# Altium PCB UZ_A_Testboard.PcbDoc (part 1 of 2) (continued)
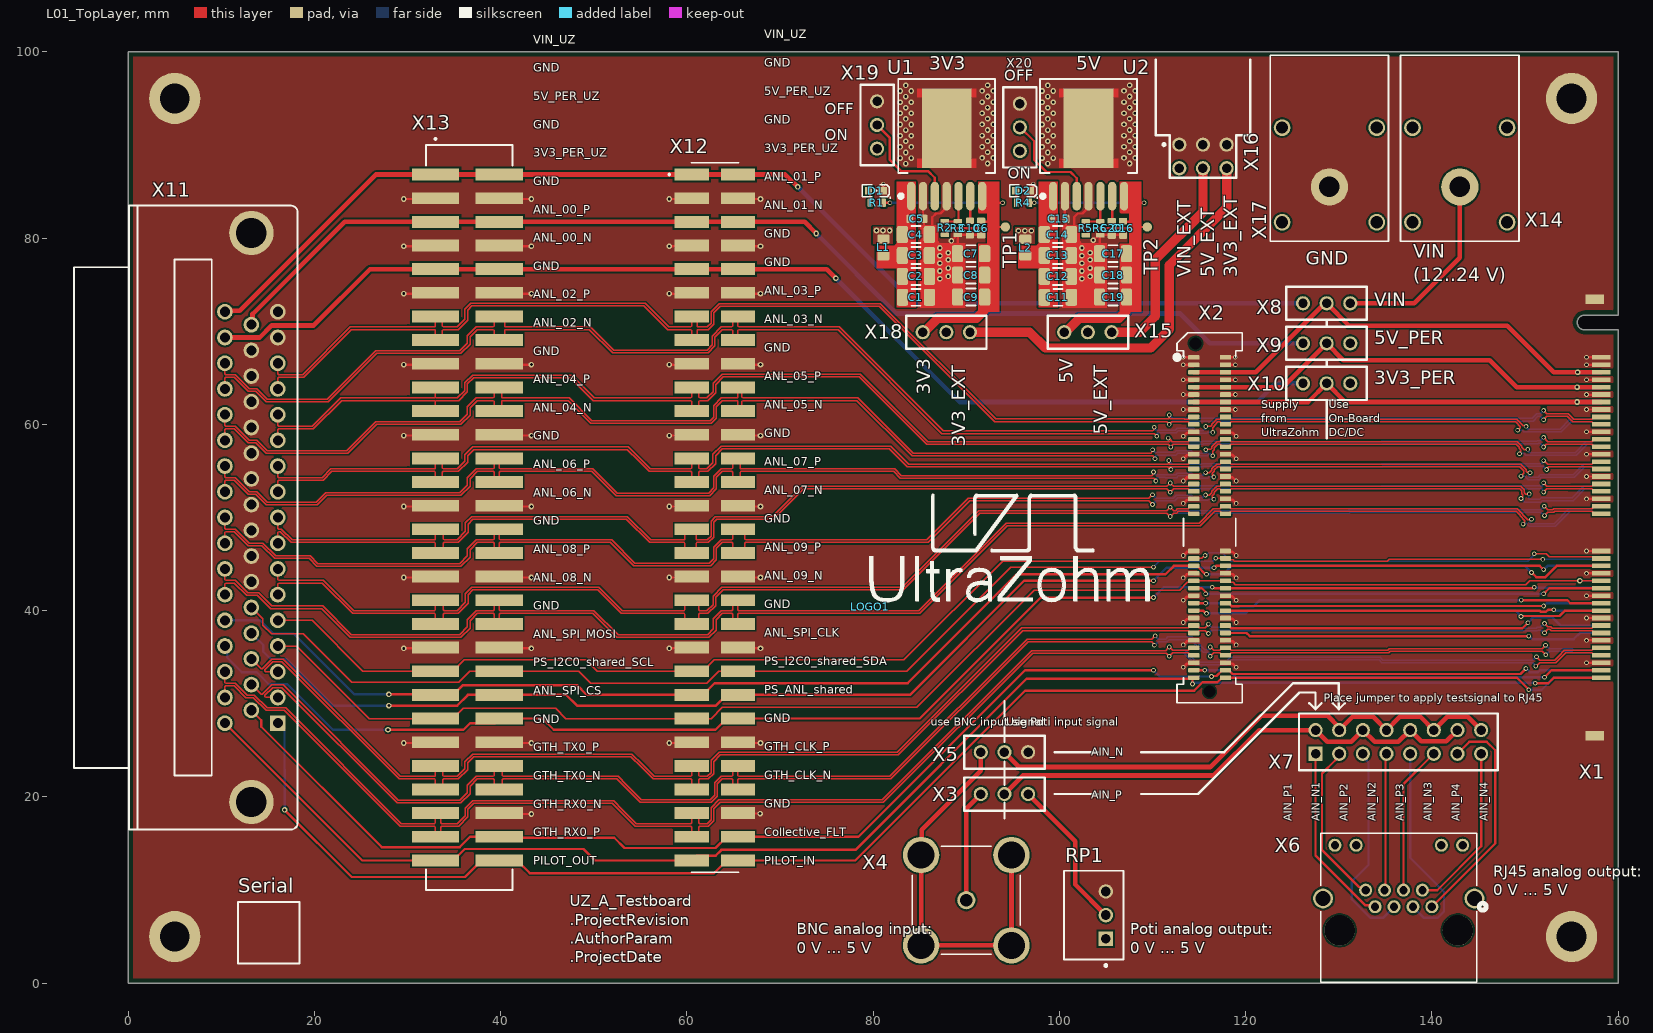
[diagram p0: L01_TopLayer view]
## Footprints (in the part's own frame and the unit in brackets; to place one, negate y for a bottom-side part, rotate by r counter-clockwise, add the part's x,y. Pads: shape width x height; smd on the part's side, far side on the other; paste and mask are expansions set on the pad)
7TO-PMOD [mm]
  oval 3.06x0.89 smd: 1(-5.7,3.81) 2(-5.7,2.54) 3(-5.7,1.27) 4(-5.7,0) 5(-5.7,-1.27) 6(-5.7,-2.54) 7(-5.7,-3.81)
  rect 8.54x5.35 smd: 8(1.605,0)
  L01_TopLayer region: 5.875,-3.2 5.875,3.2 4.875,3.2 4.875,-3.2
  L01_TopLayer region: -2.665,3.2 -2.665,-3.2 -1.665,-3.2 -1.665,3.2
  silkscreen extent -5.9,-5.21 6.89,5.2, body extent -6.89,-5.08 6.88,5.08, height 4.8
"Bannanenbuchse Rot Stäubli 23.3200-22" [mm] "Bananenstecker-Buchse, 4mm, Leiterplattenmontage, 24 A, 1 kV"
  round 4 hole 2.2: 1(0,0)
  round 1.8 hole 1.3: 2(-5.08,3.8) 2(-5.08,-6.36) 2(5.08,3.8) 2(5.08,-6.36)
  L01_TopLayer lines w0.254: 0,0 -0.275,0.275
  silkscreen extent -6.35,-14.14 6.35,5.83, body extent -6,-27.53 6,5.47, height 12.45
"Bannanenbuchse Schwarz Stäubli 23.3200-21" [mm] "Bananenstecker-Buchse, 4mm, Leiterplattenmontage, 24 A, 1 kV"
  round 4 hole 2.2: 1(0,0)
  round 1.8 hole 1.3: 2(-5.08,3.8) 2(-5.08,-6.36) 2(5.08,3.8) 2(5.08,-6.36)
  L01_TopLayer lines w0.254: 0,0 -0.275,0.275
  silkscreen extent -6.35,-14.14 6.35,5.83, body extent -6,-27.53 6,5.47, height 12.45
BOURNS_3299W-3_V [mm] "TH, 3-Leads, Body 9.53x6.4mm, Pitch 2.54mm"
  rect 1.55x1.55 hole 1.05: 1(-2.54,-1.29)
  round 1.55 hole 1.05: 2(0,-1.29) 3(2.54,-1.29)
  silkscreen extent -5.54,-3.2 4.76,3.2, body extent -4.76,-3.05 4.76,3.05, height 11.55
CAPC1608X90N_V [mm] "Vishay VJ0603 1.6 x 0.8 (+0.15/-0.1) 0.4 +/- 0,15mm Kontakte"
  rrect33% 0.88x0.71 smd: 1(0,0.77) 2(0,-0.77)
  body extent -0.4,-0.8 0.4,0.8, height 0.8
CAPC3216X180N_V [mm]
  rrect33% 1.82x1.21 smd: 1(0,1.45) 2(0,-1.45)
  silkscreen extent -0.9,-0.5 0.9,0.5, body extent -0.81,-1.6 0.81,1.6, height 1.82
dsub50_female_164A18759X [mm]
  rect 1.69x1.69 hole 1.09: 1(44.176,0)
  round 1.69 hole 1.09: 2(41.415,0) 3(38.654,0) 4(35.893,0) 5(33.132,0) 6(30.371,0) 7(27.61,0) 8(24.849,0) 9(22.088,0) 10(19.327,0) 11(16.566,0) 12(13.805,0) 13(11.044,0) 14(8.283,0) 15(5.522,0) 16(2.761,0) 17(0,0) 18(42.795,-2.84) 19(40.035,-2.84) 20(37.274,-2.84) 21(34.512,-2.84) 22(31.752,-2.84) 23(28.99,-2.84) 24(26.23,-2.84) 25(23.469,-2.84) 26(20.707,-2.84) 27(17.947,-2.84) 28(15.185,-2.84) 29(12.425,-2.84) 30(9.664,-2.84) 31(6.902,-2.84) 32(4.142,-2.84) 33(1.38,-2.84) 34(44.176,-5.68) 35(41.415,-5.68) 36(38.654,-5.68) 37(35.893,-5.68) 38(33.132,-5.68) 39(30.371,-5.68) 40(27.61,-5.68) 41(24.849,-5.68) 42(22.088,-5.68) 43(19.327,-5.68) 44(16.566,-5.68) 45(13.805,-5.68) 46(11.044,-5.68) 47(8.283,-5.68) 48(5.522,-5.68) 49(2.761,-5.68) 50(0,-5.68)
  round 4.76 hole 3.26: 51(-8.467,-2.84) 52(52.643,-2.84)
  silkscreen extent -11.4,-21.9 55.6,2.12, body extent -11.42,-22.05 55.58,2.13, height 16.35
HSEC8-140-01-L-D-EM2 [mm]
  rect 0.5x2 smd mask+0: 1(-17.2,0) 3(-16.4,0) 5(-15.6,0) 7(-14.8,0) 9(-14,0) 11(-13.2,0) 13(-12.4,0) 15(-11.6,0) 17(-10.8,0) 19(-10,0) 21(-9.2,0) 23(-8.4,0) 25(-7.6,0) 27(-6.8,0) 29(-6,0) 31(-5.2,0) 33(-4.4,0) 35(-3.6,0) 37(-2.8,0) 39(-2,0) 41(-1.2,0) 43(-0.4,0) 45(3.6,0) 47(4.4,0) 49(5.2,0) 51(6,0) 53(6.8,0) 55(7.6,0) 57(8.4,0) 59(9.2,0) 61(10,0) 63(10.8,0) 65(11.6,0) 67(12.4,0) 69(13.2,0) 71(14,0) 73(14.8,0) 75(15.6,0) 77(16.4,0) 79(17.2,0)
  rect 0.5x2 smd far side mask+0: 2(-17.2,0) 4(-16.4,0) 6(-15.6,0) 8(-14.8,0) 10(-14,0) 12(-13.2,0) 14(-12.4,0) 16(-11.6,0) 18(-10.8,0) 20(-10,0) 22(-9.2,0) 24(-8.4,0) 26(-7.6,0) 28(-6.8,0) 30(-6,0) 32(-5.2,0) 34(-4.4,0) 36(-3.6,0) 38(-2.8,0) 40(-2,0) 42(-1.2,0) 44(-0.4,0) 46(3.6,0) 48(4.4,0) 50(5.2,0) 52(6,0) 54(6.8,0) 56(7.6,0) 58(8.4,0) 60(9.2,0) 62(10,0) 64(10.8,0) 66(11.6,0) 68(12.4,0) 70(13.2,0) 72(14,0) 74(14.8,0) 76(15.6,0) 78(16.4,0) 80(17.2,0)
  rect 1x2 smd mask+0: G1(-23.45,-0.7) G3(23.45,-0.7)
  rect 1x2 smd far side mask+0: G2(-23.45,-0.7) G4(23.45,-0.7)
  body extent -25.2,-3.27 25.2,9.53, height 3.3
HTEC8-140-XX-X-DV [mm]
  rrect30% 0.5x1.2 smd mask+0.05: 1(-17.2,-1.7) 2(-17.2,1.7) 3(-16.4,-1.7) 4(-16.4,1.7) 5(-15.6,-1.7) 6(-15.6,1.7) 7(-14.8,-1.7) 8(-14.8,1.7) 9(-14,-1.7) 10(-14,1.7) 11(-13.2,-1.7) 12(-13.2,1.7) 13(-12.4,-1.7) 14(-12.4,1.7) 15(-11.6,-1.7) 16(-11.6,1.7) 17(-10.8,-1.7) 18(-10.8,1.7) 19(-10,-1.7) 20(-10,1.7) 21(-9.2,-1.7) 22(-9.2,1.7) 23(-8.4,-1.7) 24(-8.4,1.7) 25(-7.6,-1.7) 26(-7.6,1.7) 27(-6.8,-1.7) 28(-6.8,1.7) 29(-6,-1.7) 30(-6,1.7) 31(-5.2,-1.7) 32(-5.2,1.7) 33(-4.4,-1.7) 34(-4.4,1.7) 35(-3.6,-1.7) 36(-3.6,1.7) 37(-2.8,-1.7) 38(-2.8,1.7) 39(-2,-1.7) 40(-2,1.7) 41(-1.2,-1.7) 42(-1.2,1.7) 43(-0.4,-1.7) 44(-0.4,1.7) 45(3.6,-1.7) 46(3.6,1.7) 47(4.4,-1.7) 48(4.4,1.7) 49(5.2,-1.7) 50(5.2,1.7) 51(6,-1.7) 52(6,1.7) 53(6.8,-1.7) 54(6.8,1.7) 55(7.6,-1.7) 56(7.6,1.7) 57(8.4,-1.7) 58(8.4,1.7) 59(9.2,-1.7) 60(9.2,1.7) 61(10,-1.7) 62(10,1.7) 63(10.8,-1.7) 64(10.8,1.7) 65(11.6,-1.7) 66(11.6,1.7) 67(12.4,-1.7) 68(12.4,1.7) 69(13.2,-1.7) 70(13.2,1.7) 71(14,-1.7) 72(14,1.7) 73(14.8,-1.7) 74(14.8,1.7) 75(15.6,-1.7) 76(15.6,1.7) 77(16.4,-1.7) 78(16.4,1.7) 79(17.2,-1.7) 80(17.2,1.7)
  round 0 hole 1.27 unplated: MH1(-18.7,-1.5) MH2(18.7,0)
  silkscreen extent -19.85,-3.75 19.9,3.5, body extent -19.9,-3.5 19.9,3.5, height 8
HTSS-130-01-L-DV [mil]
  rect 50x200 smd: 01(0,0) 02(0,270) 03(100,0) 04(100,270) 05(200,0) 06(200,270) 07(300,0) 08(300,270) 09(400,0) 10(400,270) 11(500,0) 12(500,270) 13(600,0) 14(600,270) 15(700,0) 16(700,270) 17(800,0) 18(800,270) 19(900,0) 20(900,270) 21(1000,0) 22(1000,270) 23(1100,0) 24(1100,270) 25(1200,0) 26(1200,270) 27(1300,0) 28(1300,270) 29(1400,0) 30(1400,270) 31(1500,0) 32(1500,270) 33(1600,0) 34(1600,270) 35(1700,0) 36(1700,270) 37(1800,0) 38(1800,270) 39(1900,0) 40(1900,270) 41(2000,0) 42(2000,270) 43(2100,0) 44(2100,270) 45(2200,0) 46(2200,270) 47(2300,0) 48(2300,270) 49(2400,0) 50(2400,270) 51(2500,0) 52(2500,270) 53(2600,0) 54(2600,270) 55(2700,0) 56(2700,270) 57(2800,0) 58(2800,270) 59(2900,0) 60(2900,270)
  silkscreen extent -155,-40 3025,325, body extent -125,-85 3025,355, height 400
INDC2012X92N_V [mm] "Chip Inductor, 2-Leads, Body 2,0x1,2mm, IPC Medium Density"
  rrect33% 1.31x1 smd: 1(0,0.9) 2(0,-0.9)
  body extent -0.6,-1 0.6,1, height 0.91
IPL1-103-01-L-D-RA-K [mil]
  round 60 hole 40 mask+3: 1(-100,-380) 2(0,-380) 3(100,-380) 4(-100,-480) 5(0,-480) 6(100,-480)
  silkscreen extent -200,-520 200,-20, body extent -180,-492 180,0, height 310
RESC1608X55N_V [mm] "Vishay D0603 1.55 x 0.85 (+0.1/-0.05) 0.3 +/- 0,2mm Kontakte"
  rrect33% 0.9x0.5 smd: 1(0,0.73) 2(0,-0.73)
  body extent -0.42,-0.78 0.43,0.77, height 0.45
RJ45_RJHSE-5384_AMP [mil]
  round 55 hole 35: 1(0,0) 2(-40,70) 3(-80,0) 4(-120,70) 5(-160,0) 6(-200,70) 7(-240,0) 8(-280,70) 9(130,260) 10(40,260) 11(-320,260) 12(-410,260)
  round 84 hole 64: 13(-460,35) 14(180,35)
  round 128 hole 128 unplated: 15(-390,-100) 16(110,-100)
  silkscreen extent -470,-320 230,310, body extent -528,-540 253,320, height 630
SAMTEC_BNC7T-J-P-XX-RA-BH1 [mm]
  round 1.95 hole 1.3: 1(0,0)
  round 3.916 hole 2.9: S1(-4.85,4.85) S2(4.85,4.85) S3(4.85,-4.85) S4(-4.85,-4.85)
  silkscreen extent -5.8,-5.8 5.8,5.8, body extent -8,-5.83 8,26.92, height 19.3
Serial_6.3x6.3mm [mm]
  silkscreen extent -3.3,-3.3 3.3,3.3
TP_1mm [mm]
  round 1 smd paste-1: 1(0,0)
TSM-130-01-F-DV [mm]
  rect 1.27x3.68 smd: 01(36.83,2.475) 02(36.83,-2.475) 03(34.29,2.475) 04(34.29,-2.475) 05(31.75,2.475) 06(31.75,-2.475) 07(29.21,2.475) 08(29.21,-2.475) 09(26.67,2.475) 10(26.67,-2.475) 11(24.13,2.475) 12(24.13,-2.475) 13(21.59,2.475) 14(21.59,-2.475) 15(19.05,2.475) 16(19.05,-2.475) 17(16.51,2.475) 18(16.51,-2.475) 19(13.97,2.475) 20(13.97,-2.475) 21(11.43,2.475) 22(11.43,-2.475) 23(8.89,2.475) 24(8.89,-2.475) 25(6.35,2.475) 26(6.35,-2.475) 27(3.81,2.475) 28(3.81,-2.475) 29(1.27,2.475) 30(1.27,-2.475) 31(-1.27,2.475) 32(-1.27,-2.475) 33(-3.81,2.475) 34(-3.81,-2.475) 35(-6.35,2.475) 36(-6.35,-2.475) 37(-8.89,2.475) 38(-8.89,-2.475) 39(-11.43,2.475) 40(-11.43,-2.475) 41(-13.97,2.475) 42(-13.97,-2.475) 43(-16.51,2.475) 44(-16.51,-2.475) 45(-19.05,2.475) 46(-19.05,-2.475) 47(-21.59,2.475) 48(-21.59,-2.475) 49(-24.13,2.475) 50(-24.13,-2.475) 51(-26.67,2.475) 52(-26.67,-2.475) 53(-29.21,2.475) 54(-29.21,-2.475) 55(-31.75,2.475) 56(-31.75,-2.475) 57(-34.29,2.475) 58(-34.29,-2.475) 59(-36.83,2.475) 60(-36.83,-2.475)
  silkscreen extent -38.1,-2.54 38.1,5, body extent -38.1,-3.85 38.1,3.85, height 9.91
TSW-103-XX-XXX-S [mil]
  round 60 hole 40 mask+3: 1(-100,0) 2(0,0) 3(100,0)
  silkscreen extent -170,-70 170,70, body extent -155,-50 150,50, height 330
TSW-108-XX-XXX-D [mil] "Pinheader, 2.54mm Pitch"
  rect 60x60 hole 40 mask+3: 1(-350,-50)
  round 60 hole 40 mask+3: 2(-350,50) 3(-250,-50) 4(-250,50) 5(-150,-50) 6(-150,50) 7(-50,-50) 8(-50,50) 9(50,-50) 10(50,50) 11(150,-50) 12(150,50) 13(250,-50) 14(250,50) 15(350,-50) 16(350,50)
  silkscreen extent -420,-120 420,120, body extent -400,-100 400,100, height 330
UZ_Logo_small [mm] "logo width 3cm"
  silkscreen extent -0.05,0.57 29.94,12.12
WL-SMCW_0603 [mm] "SMD Mono-color Chip LED, body 1.6x0.8mm"
  rect 0.8x0.8 smd: 1(-0.8,0) 2(0.8,0)
  silkscreen extent -1.59,-0.65 1.45,0.83, body extent -0.8,-0.4 0.8,0.4, height 0.7

## Part data
C1 C2 C3 C4 C11 C12 C13 C14: library part 24685, "KON 10µF 50V X5R 10%  SMD BF 3216 (1206)", Case="3216 (1206)", Temperature-Range=-55/+85, Tolerance=10%, Voltage=50V, AN=24685, Mixed=SMT, Preferred=Yes, Technology=X5R
C5 C15: library part 21382, "KON 100nF 50V X7R ±10% SMD BF 1608 (0603)", Case="1608 (0603)", Temperature-Range=-55/+125, Tolerance=±10%, Voltage=50V, AN=21382, Mixed=SMT, Preferred=Yes, Technology=X7R
C6 C16: library part 25476, "KON 470nF 50V X7R SMD  BF 1608 (0603)", Case="1608 (0603)", Temperature-Range=-55/+125, Voltage=50V, AN=25476, Mixed=SMT, Preferred=Yes, Technology=X7R
C7 C8 C9 C17 C18 C19: library part 23116, "KON 100µF 6,3V X5R 20% SMD BF 3216 (1206)", Case="3216 (1206)", Temperature-Range=-55/+85, Tolerance=20%, Voltage=6.3V, AN=23116, Mixed=SMT, Preferred=Yes, Technology=X5R
C10 C20: library part 29694, "KON 220nF 50V X7R ±10% SMD BF 1608 (0603)", Case="1608 (0603)", Temperature-Range=-55/+125, Tolerance=±10%, Voltage=50V, AN=29694, Mixed=SMT, Technology=X7R
D1: library part KT-0603R, "LED RED 520~625NM 90~100MCD@20MA TOP VIEW 0603 ROHS", Color=red, Device Package=0603, Forward Current I_f="20 mA", Forward Voltage U_f="2.1 V", LCSC Part Number=C2286, Manufacturer="Hubei KENTO Elec", Nominal Power="42 mW", Operating Temperature="-40 - 85 °C", Component Type="LED Diode", ComponentLink1Description=Datasheet, ComponentLink1URL=https://datasheet.lcsc.com/szlcsc/Hubei-KENTO-Elec-KT-0603R_C2286.pdf, Created from="T. Wendt", Created On="03.03.2021 10:06:23", Last Updated="04.03.2021 09:02:49", Light Intensity="110 mcd", Live Cycle Status=1, Manufacturer Part Number=KT-0603R, Mounting Type=SMD, PartID=8, Stock number="not stored", Supplier 1=LCSC, Supplier Part Number 1=C2286, Type=Standard, Wavelength="620 nm"
D2: library part 19-217/BHC-ZL1M2RY/3T, "LED BLUE 465~475NM 11.5~28.5MCD@5MA TOP VIEW 0603 ROHS", Color=blue, Device Package=0603, Forward Current I_f="20 mA", Forward Voltage U_f="2.8 V", LCSC Part Number=C72041, Manufacturer="Everlight Elec", Nominal Power="68 mW", Operating Temperature="-40 - 85 °C", Component Type="LED Diode", ComponentLink1Description=Datasheet, ComponentLink1URL=https://datasheet.lcsc.com/szlcsc/Everlight-Elec-19-217-BHC-ZL1M2RY-3T_C72041.pdf, Created from="T. Wendt", Created On="03.03.2021 09:59:51", Last Updated="04.03.2021 09:02:49", Light Intensity="28.5 mcd", Live Cycle Status=1, Manufacturer Part Number=19-217/BHC-ZL1M2RY/3T, Mounting Type=SMD, PartID=6, Stock number="not stored", Supplier 1=LCSC, Supplier Part Number 1=C72041, Type=Standard, Wavelength="470 nm"
L1 L2: library part 24513, "Ferritdurchführung SMD 0805", Case="2012 (0805)", Voltage=2000mA, AN=24513, Extra="0,15 Ohm DC, 600 Ohm bei 100MHz, 700 Ohm bei 150Mhz, 2000mA", H-ART=742792040, HelpURL=B:\AD\adlib\datasheet\742792040, Mixed=SMT, Technology=0.15Ohm, Trenz-Stock=Yes
LOGO1: "UltraZohm Logo on PCB", Created=Jan2021_Liegmann
R1: library part 21375, "WID SMD 1K 1% 0,1W", Case="1608 (0603)", Tolerance=1%, AN=21375, Extra="BF 1608 (0603)", Mixed=SMT, Preferred=Yes, Technology=TK100
R2: library part 21378, "WID SMD 4K7 1% 0,1W BF 1608 (0603)", Case="1608 (0603)", Tolerance=1%, AN=21378, Mixed=SMT, Preferred=Yes, Technology=TK100
R3 R4 R6: library part 21514, "WID SMD 1K5 1% 0,1W", Case="1608 (0603)", Tolerance=1%, AN=21514, Extra="BF 1608 (0603)", Mixed=SMT, Technology=TK100
R5: library part 21378, "WID SMD 8K06 1% 0,1W BF 1608 (0603)", Case="1608 (0603)", Tolerance=1%, Mixed=SMT, Preferred=Yes, Technology=TK100
RP1: library part Trimmer_3299W, "Square Trimpot(R) Trimming Potentiometer, 10kOhm, +/- 10%, 500 mW, -55 to 125 degC, 3-Pin THD, RoHS, Tube", MPN=3299W-1-103LF, Supplier Part Number 1=652-3299W-1-103LF, ComponentLink1Description=Datasheet, ComponentLink1URL=http://www.bourns.com/docs/Product-Datasheets/3299.pdf, Created=2020_12_15_AGeiger, MF=Bourns, Supplier 1=Mouser
Serial: library part SerialNumber, Created=2018_09_18_AGeiger
TP1 TP2: library part 25063, AN=25063, Mixed=SMT
U1 U2: library part 26051, Case=TO263-7EP, Storage-Temperature="-65/+150 (Abs)", Temperature-Range="-40/+125 (Tj)", Voltage=Adj., AN=26051, Extra="6-36V 5A MagI³C Power Module", H-ART=171050601, HelpURL=B:\AD\adlib\datasheet\171050601, Mixed=SMT
X1: library part HSEC8-140-01-L-D-EM2J, "80 Position Female Connector Non Specified - Dual Edge Gold 0.031\" (0.80mm) Black", Created=2021_04_07_AGeiger, MF=SAMTEC, MPN=HSEC8-140-01-L-D-EM2
X2: library part 30758, Case=HTEC8, Temperature-Range=-55/+125, AN=30758, Extra="Samtec 0.80 mm High-Speed Edge Card Connector, 80pin 10µ Plating", H-ART=HTEC8-140-01-L-DV-K, HelpURL=b:\AD\adlib\datasheet\Samtec\HTEC8\, Mixed=SMT
X3 X5 X8 X9 X10 X15 X18 X19 X20: library part TSW-103-XX-XXX-S, ".025[0.64] SQ. POST TERMINAL STRIP ASSEMBLY.", Manufacturer=SAMTEC, Created=2020_11_26_AGeiger, MPN=TSW-103-07-F-S
X4: library part BNC7T-J-P-XX-RA-BH1, "BNC Connector Jack, Female Socket 75Ohm Panel Mount, Through Hole, Right Angle Solder", MPN=BNC7T-J-P-HN-RA-BH1, ComponentLink1Description=Datasheet, ComponentLink1URL=https://suddendocs.samtec.com/catalog_english/bnc7t.pdf, ComponentLink2Description=URL, ComponentLink2URL=https://www.samtec.com/products/bnc7t-j-p-gn-ra-bh1, Created=2021_04_06_AGeiger, MF=Samtec, Package=BNC
X6: "RJ45 without integrated trafos", OperationTempMax=+85°C, OperationTempMin=-55°C, Package=RJ45, Supplier Part Number 1=523-RJHSE-5381, ComponentLink1Description=Datasheet, ComponentLink1URL=https://cdn.amphenol-icc.com/media/wysiwyg/files/drawing/rjhse538x.pdf, Created=2021_03_11_AGeiger, MF=Amphenol, MPN=RJHSE-5381, Supplier 1=Mouser
X7: library part TSW-108-XX-XXX-D, "Pin Header, 2.54mm", Created=2019_02_10_AGeiger, MF=SAMTEC, MPN=TSW-108-07-F-D
X11: library part DSUB50_female, "D-SUB, female, right angle, 50pos, 9.4mm pitch", Supplier Part Number 1="D-SUB BU 50GWC", ComponentLink1Description=Datasheet, ComponentLink1URL=http://www.conec.com/catalog/media/conec/DRAWINGS/164A18759X.pdf, Created=2019_10_24_AGeiger, MF=CONEC, MPN=164A18759X, Supplier 1=Reichelt, Supplier 2=Mouser, Supplier 3=Digi-Key, Supplier Part Number 2=706-164A18759X, Supplier Part Number 3=164A18759X-ND
X14: library part "Banannenstecker-Buchse Stäubli Rot", "MULTI-CONTACT   23.3200-22   BANANA SOCKET, 24A, 4MM, THT, R/A, RED", Color=Red, Current Rating=24A, Manufacturer=Stäubli, Max Operating Temperature=80°C, Min Operating Temperature=-40°C, PnP Package="BANANA SOCKET", Supplier Part Number 1=4130261, Voltage Rating=1kV, Category=Uncategorized, ComponentLink1Description=https://datasheet.ciiva.com/1123/308583-1123144.pdf?src-supplier=Newark, ComponentLink1URL=https://datasheet.ciiva.com/1123/308583-1123144.pdf?src-supplier=Newark, ComponentLink2Description=https://datasheet.ciiva.com/16979/0900766b8025b994-16979960.pdf?src-supplier=Allied+Electronics, ComponentLink2URL=https://datasheet.ciiva.com/16979/0900766b8025b994-16979960.pdf?src-supplier=Allied+Electronics, ComponentLink3Description=https://datasheet.ciiva.com/29247/731096-da-01-ml-4-mm-einbaub-slb4i-90-rot-de-en-fr-29247831.pdf?src-supplier=Conrad, ComponentLink3URL=https://datasheet.ciiva.com/29247/731096-da-01-ml-4-mm-einbaub-slb4i-90-rot-de-en-fr-29247831.pdf?src-supplier=Conrad, Connector Type=Socket, Contact Material=Brass,Gold, Contact Plating=Gold, Gender=Female, Insulation Material=PVC, Length=33mm, Manufacturer Part Number=23.3200-22, Part Number=23.3200-22, PnP Value=23.3200-22, Pricing 1="1=10,51000, 5=8,01000, 10=7,81000, 25=6,92000, 50=6,48000, 75=6,35000 (EUR)", REACH SVHC="No SVHC", RoHS=Yes, Stock 1=1111, Supplier 1=Farnell, Termination="Through Hole", Voltage Rating (AC)=1kV, Voltage Rating (DC)=1kV
X16: library part IPL1-103-XX-X-D-X, "2.54mm Double Row Terminal Assembly", Created=2018_05_02_AGeiger, MF=SAMTEC, MPN=IPL1-103-01-L-D-RA-K
X17: library part "Banannenstecker-Buchse Stäubli Schwarz", "MULTI-CONTACT   23.3200-21   BANANA SOCKET, 24A, 4MM, THT, R/A, Black", Color=Black, Current Rating=24A, Manufacturer=Stäubli, Max Operating Temperature=80°C, Min Operating Temperature=-40°C, PnP Package="BANANA SOCKET", Supplier Part Number 1=1085521, Voltage Rating=1kV, Category=Uncategorized, ComponentLink1Description=https://datasheet.ciiva.com/1123/308583-1123144.pdf?src-supplier=Newark, ComponentLink1URL=https://datasheet.ciiva.com/1123/308583-1123144.pdf?src-supplier=Newark, ComponentLink2Description=https://datasheet.ciiva.com/16979/0900766b8025b994-16979960.pdf?src-supplier=Allied+Electronics, ComponentLink2URL=https://datasheet.ciiva.com/16979/0900766b8025b994-16979960.pdf?src-supplier=Allied+Electronics, ComponentLink3Description=https://datasheet.ciiva.com/29247/731096-da-01-ml-4-mm-einbaub-slb4i-90-rot-de-en-fr-29247831.pdf?src-supplier=Conrad, ComponentLink3URL=https://datasheet.ciiva.com/29247/731096-da-01-ml-4-mm-einbaub-slb4i-90-rot-de-en-fr-29247831.pdf?src-supplier=Conrad, Connector Type=Socket, Contact Material=Brass,Gold, Contact Plating=Gold, Gender=Female, Insulation Material=PVC, Length=33mm, Manufacturer Part Number=23.3200-21, Part Number=23.3200-21, PnP Value=23.3200-21, REACH SVHC="No SVHC", RoHS=Yes, Supplier 1=Farnell, Termination="Through Hole", Voltage Rating (AC)=1kV, Voltage Rating (DC)=1kV
X12: Created=2021_03_23_AGeiger, MF=Samtec, MPN=TSM-130-01-F-DV
X13: MF=SAMTEC, MPN=HTSS-130-01-L-DV

## Free pads (board coordinates)
  round 5.5 hole 3.2: 2(5,5) 2(5,95) 2(155,5) 2(155,95)

## Via types
v1: diameter 0.6, hole 0.3, L01_TopLayer to L04_BottomLayer, tented both sides, 114 vias
v2: diameter 0.5, hole 0.3, L01_TopLayer to L04_BottomLayer, 106 vias
v3: diameter 0.6, hole 0.3, L01_TopLayer to L04_BottomLayer, 49 vias
v4: diameter 0.5, hole 0.3, L01_TopLayer to L04_BottomLayer, tented both sides, 36 vias

## Nets (pads, with @x,y where several pads share a name; then routed paths per layer and width w, separated by ;. In a path a pad name is that pad's centre, name@x,y a point inside that pad or via, vN(x,y) a via of type N, cw(c..) or ccw(c..) an arc to the next point about the centre after c; other vN are vias at no path point)
3V3: C6.1 C7.1 C8.1 C9.1 R1.2 R2.2 TP1.1 U1.7 X18.3 | length 29.6
  L01_TopLayer w0.254: R1.2@81.13,83.8 v4(81.8,83.8) ; R2.2@87.7,80.37 88.382,81.052 92.441,81.052 ; C6.1@91.606,81.777 92.516,81.777 92.541,81.752 ; 93,81.2 93.003,81.197 TP1.1@94.199,81.197 ; 93.3,83.8 v4(93.9,83.8)
  L01_TopLayer w1: X18.3@85.32,69.9 85.462,69.9 86.962,71.4 91.1,71.4 91.866,72.166 91.866,73.567 C9.1@91.971,73.672
  L04_BottomLayer w0.254: v4(81.8,83.8) v4(93.9,83.8)
3V3_EXT: X16.6 X18.1 | length 42.8
  L01_TopLayer w1: X18.1@90.4,69.9 96.8,69.9 98.5,68.2 109.8,68.2 111.8,70.2 111.8,77.1 117.958,83.258 X16.6@117.958,87.503
3V3_PER: X1.13 X1.14 X2.13 X2.14 X10.2 | length 48
  L01_TopLayer w0.5: X2.13@114.431,62.4 X2.14@117.831,62.4 126.7,62.4 X10.2@128.7,64.4 130.7,62.4 v3(155.6,62.4) X1.13@158.2,62.4
  L04_BottomLayer w0.5: v3(155.6,62.4) X1.14@158.2,62.4
3V3_PER_ONBOARD: X10.3 X18.2 | length 47.4
  L03_VCC w0.5: X18.2@87.86,69.9 95.406,62.354 129.194,62.354 X10.3@131.24,64.4
3V3_PER_UZ: X10.1 X11.49 X12.09 X12.10 X13.09 X13.10 | length 125.6
  L01_TopLayer w0.5: X11.49@10.389,69.327 14.127,69.327 15.422,70.622 19.922,70.622 25.97,76.67 X13.09@33,76.67 X13.10@39.858,76.67 X12.09@60.525,76.67 X12.10@65.475,76.67 75.03,76.67 v3(76,75.7)
  L04_BottomLayer w0.5: v3(76,75.7) 89.3,62.4 121.241,62.4 123.241,64.4 X10.1@126.16,64.4
5V: C16.1 C17.1 C18.1 C19.1 R4.2 R5.2 TP2.1 U2.7 X15.3 | length 29.4
  L01_TopLayer w0.254: R4.2@96.83,83.8 v4(97.3,83.8) ; R5.2@102.836,80.322 103.565,81.052 107.681,81.052 ; C16.1@106.846,81.777 107.756,81.777 107.781,81.752 ; 108.3,81.2 108.303,81.197 TP2.1@109.439,81.197 ; 108.3,83.8 v4(109.1,83.8)
  L01_TopLayer w1: X15.3@100.52,69.9 100.662,69.9 102.162,71.4 106.4,71.4 107.2,72.2 107.2,73.661 C19.1@107.211,73.672
  L04_BottomLayer w0.254: v4(97.3,83.8) v4(109.1,83.8)
5V_EXT: X15.1 X16.5 | length 23.4
  L01_TopLayer w1: X15.1@105.6,69.9 108.6,69.9 110.3,71.6 110.3,77.7 115.418,82.818 X16.5@115.418,87.503
5V_PER: RP1.1 X1.9 X1.10 X2.9 X2.10 X9.2 | length 127.4
  L01_TopLayer w0.5: X2.9@114.431,64 X2.10@117.831,64 124,64 X9.2@128.7,68.7 130.5,66.9 146.2,66.9 149.1,64 v3(155.6,64) ; v3@155.7,64 v3(155.6,64) ; X1.9@158.2,64 v3(155.6,64)
  L03_VCC w0.5: RP1.1@104.99,4.76 107.3,7.07 107.3,16.2 132.6,41.5 132.6,64.8 X9.2@128.7,68.7
  L04_BottomLayer w0.5: v3(155.6,64) X1.10@158.2,64
5V_PER_ONBOARD: X9.3 X15.2 | length 32.4
  L03_VCC w0.5: X15.2@103.06,69.9 107.36,65.6 121.2,65.6 125.7,70.1 129.84,70.1 X9.3@131.24,68.7
5V_PER_UZ: X9.1 X11.33 X12.05 X12.06 X13.05 X13.06 | length 123.5
  L01_TopLayer w0.5: X11.33@13.229,70.708 13.346,70.825 13.346,71.846 23.25,81.75 X13.05@33,81.75 X13.06@39.858,81.75 X12.05@60.525,81.75 X12.06@65.475,81.75 72.65,81.75 v3(73.9,80.5)
  L04_BottomLayer w0.5: v3(73.9,80.5) 82.5,71.9 112.965,71.9 116.165,68.7 X9.1@126.16,68.7
ADC_Neg: X5.2 X7.4 X7.8 X7.12 X7.16 | length 58.5
  L01_TopLayer w0.5: X5.2@94.1,24.8 95.7,23.2 116.2,23.2 121.7,28.7 128.797,28.7 130.05,27.447 X7.4@130.05,27.17 130.189,27.309 131.48,28.6 133.7,28.6 X7.8@135.13,27.17 136.56,28.6 138.78,28.6 X7.12@140.21,27.17 141.64,28.6 143.86,28.6 X7.16@145.29,27.17
ADC_Pos: X3.2 X7.2 X7.6 X7.10 X7.14 | length 54.6
  L01_TopLayer w0.5: X3.2@94.1,20.3 96.1,22.3 116.6,22.3 121.47,27.17 X7.2@127.51,27.17 128.78,25.9 131.32,25.9 X7.6@132.59,27.17 133.86,25.9 136.4,25.9 X7.10@137.67,27.17 138.882,25.958 141.538,25.958 X7.14@142.75,27.17
AIN_N1: X6.8 X7.3 | length 17.6
  L01_TopLayer w0.254: X7.3@130.05,24.63 130.05,24.353 129.621,23.924 129.621,23.921 128.2,22.5 128.2,14.3 132.181,10.319 132.304,10.319 132.645,9.978 X6.8@132.888,9.978
AIN_N2: X6.6 X7.7 | length 14.7
  L01_TopLayer w0.254: X6.6@134.92,9.978 135.025,10.083 135.025,24.525 X7.7@135.13,24.63
AIN_N3: X6.4 X7.11 | length 16
  L01_TopLayer w0.254: X6.4@136.952,9.978 136.952,21.372 X7.11@140.21,24.63
AIN_N4: X6.2 X7.15 | length 18.2
  L01_TopLayer w0.254: X6.2@138.984,9.978 140.578,9.978 145.29,14.69 X7.15@145.29,24.63
AIN_P1: X6.7 X7.1 | length 19.6
  L01_TopLayer w0.254: X7.1@127.51,24.63 127.51,13.69 132.828,8.372 133.732,8.372 X6.7@133.904,8.2
AIN_P2: X6.5 X7.5 | length 22.5
  L04_BottomLayer w0.254: X7.5@132.59,24.63 132.59,24.286 133.2,23.676 133.2,12.7 131.4,10.9 131.4,9 133.4,7 134.736,7 X6.5@135.936,8.2
AIN_P3: X6.3 X7.9 | length 22.6
  L04_BottomLayer w0.254: X7.9@137.67,24.63 137.67,13.43 141.3,9.8 141.3,7.7 140.6,7 139.168,7 X6.3@137.968,8.2
AIN_P4: X6.1 X7.13 | length 24.6
  L01_TopLayer w0.254: X6.1@140,8.2 146.8,15 146.8,25 145.9,25.9 144.02,25.9 X7.13@142.75,24.63
ANL_00_N: X1.19 X2.19 X11.14 X12.15 X13.15 | length 162.8
  L01_TopLayer w0.15: X11.14@16.069,63.805 16.069,64.959 16.157,65.047 18.844,65.047 23.978,70.181 30.039,70.181 32.912,70.181 33,70.093 X13.15@33,69.05 33.184,69.05 33.744,69.61 33.744,70.093 33.832,70.181 35.433,70.181 36.439,71.188 36.439,72.248 36.915,72.723 55.385,72.723 55.885,72.223 57.927,70.182 60.437,70.182 60.525,70.094 X12.15@60.525,69.05 60.541,69.05 61.101,69.61 61.101,70.094 61.188,70.182 62.301,70.182 62.867,70.747 62.867,71.967 63.6,72.7 80.662,72.7 93.06,60.302 111.555,60.302 v2@111.8,60.057 ; X2.19@114.431,60 114.081,60 113.82,60.261 113.218,60.261 113.177,60.302 112.045,60.302 v2@111.8,60.057 ; v2(152,60.5) 152.362,60.862 154.524,60.862 155.124,60.261 157.189,60.261 157.45,60 X1.19@158.2,60 ; v2@111.8,60.057 v2(111.8,60) v2@111.8,60.057
  L04_BottomLayer w0.15: v2(111.8,60) 112.162,60.362 150.889,60.362 151.389,60.862 151.638,60.862 v2(152,60.5)
ANL_00_P: X1.17 X2.17 X11.15 X12.13 X13.13 | length 162.9
  L01_TopLayer w0.15: X11.15@16.069,66.566 16.069,65.412 16.157,65.324 18.729,65.324 23.863,70.458 29.924,70.458 32.912,70.458 33,70.546 X13.13@33,71.59 33.184,71.59 33.744,71.03 33.744,70.546 33.832,70.458 35.318,70.458 36.162,71.303 36.162,72.362 36.8,73 55.5,73 56,72.5 58.042,70.459 60.437,70.459 60.525,70.546 X12.13@60.525,71.59 60.541,71.59 61.101,71.03 61.101,70.546 61.188,70.459 62.187,70.459 62.59,70.862 62.59,72.082 63.485,72.977 80.776,72.977 93.174,60.579 111.694,60.579 111.8,60.685 ; v2(111.8,61) 111.8,60.685 ; X2.17@114.431,60.8 114.081,60.8 113.82,60.538 113.454,60.538 113.413,60.579 111.906,60.579 111.8,60.685 ; v2(152,61.5) 152.361,61.139 154.638,61.139 155.239,60.538 157.189,60.538 157.45,60.8 X1.17@158.2,60.8
  L04_BottomLayer w0.15: v2(111.8,61) 112.162,60.638 150.775,60.638 151.275,61.138 151.638,61.138 v2(152,61.5)
ANL_01_N: X1.20 X2.20 X11.47 X12.16 X13.16 | length 167.7
  L01_TopLayer w0.15: X11.47@10.389,63.805 10.389,64.959 10.477,65.047 11.392,65.047 12.894,63.544 13.693,63.544 14.829,62.408 21.485,62.408 26.7,67.623 35.723,67.623 36.71,68.61 36.71,69.395 37.496,70.181 39.21,70.181 39.298,70.093 39.298,69.61 X13.16@39.858,69.05 40.418,69.61 40.418,70.093 40.506,70.181 49.53,70.181 52.011,67.7 62.274,67.7 63.006,68.432 63.006,69.374 63.813,70.182 64.827,70.182 64.915,70.094 64.915,69.61 X12.16@65.475,69.05 65.475,70.094 65.563,70.182 76.227,70.182 87.39,59.019 110.198,59.019 110.445,58.772 v2(110.445,58.718) ; v2(116.479,59.138) 116.446,59.171 116.446,59.614 116.623,59.791 116.623,59.878 117.006,60.261 117.219,60.261 117.481,60 118.181,60 118.443,60.261 148.989,60.261 149.48,59.77 149.48,59.646 v2(149.206,59.372)
  L04_BottomLayer w0.15: v2(110.445,58.718) 110.512,58.784 110.512,59.011 110.605,59.104 112.565,59.104 112.757,59.296 114.252,59.296 114.518,59.031 115.839,59.031 115.947,59.138 v2(116.479,59.138) ; v2(149.206,59.372) 149.71,59.372 149.885,59.196 153.877,59.196 154.942,60.261 157.189,60.261 157.45,60 X1.20@158.2,60
ANL_01_P: X1.18 X2.18 X11.48 X12.14 X13.14 | length 167.2
  L01_TopLayer w0.15: X11.48@10.389,66.566 10.389,65.412 10.477,65.324 11.507,65.324 13.009,63.821 13.808,63.821 14.944,62.685 21.37,62.685 26.585,67.9 35.608,67.9 36.433,68.725 36.433,69.51 37.382,70.458 39.21,70.458 39.298,70.546 39.298,71.03 X13.14@39.858,71.59 ; X13.14@39.6,71.7 39.748,71.7 X13.14@39.858,71.59 ; v2(110.183,59.683) 110.116,59.616 110.116,59.389 110.022,59.296 87.504,59.296 76.342,70.459 65.563,70.459 65.475,70.546 X12.14@65.475,71.59 64.915,71.03 64.915,70.546 64.827,70.459 63.699,70.459 62.729,69.489 62.729,68.547 62.159,67.977 52.126,67.977 49.645,70.458 40.506,70.458 40.418,70.546 40.418,71.03 X13.14@39.858,71.59 ; v2(115.71,59.778) 115.742,59.81 116.251,59.81 116.346,59.905 116.346,59.993 116.891,60.538 117.219,60.538 117.481,60.8 X2.18@117.831,60.8 118.181,60.8 118.443,60.538 149.104,60.538 149.803,59.839 150.061,59.839 v2(150.117,59.783)
  L04_BottomLayer w0.15: v2(110.183,59.683) 110.183,59.627 110.429,59.381 112.45,59.381 112.642,59.573 114.367,59.573 114.632,59.308 115.402,59.308 115.643,59.548 115.643,59.711 v2(115.71,59.778) ; v2(150.117,59.783) 150.117,59.711 150.355,59.473 153.762,59.473 154.827,60.538 157.189,60.538 157.45,60.8 X1.18@158.2,60.8
ANL_02_N: X1.25 X2.25 X11.12 X12.21 X13.21 | length 158.4
  L01_TopLayer w0.15: X11.12@16.069,58.283 16.069,59.437 16.157,59.525 19.893,59.525 22.929,62.561 30.039,62.561 32.912,62.561 33,62.473 ; X13.21@33.184,61.43 X13.21@33,61.43 33,62.473 ; 110.799,57.862 85.747,57.862 78.508,65.1 63.898,65.1 63.079,64.281 63.079,63.383 62.258,62.562 61.357,62.562 61.269,62.474 61.269,61.99 60.709,61.43 X12.21@60.525,61.43 60.525,62.474 60.437,62.562 49.957,62.562 47.496,65.023 37.115,65.023 36.428,64.336 36.428,63.512 35.476,62.561 33.088,62.561 33,62.473 ; 110.8,57.862 111.715,57.862 111.9,57.677 111.9,57.5 111.9,57.557 112.206,57.862 112.82,57.862 ; 112.82,57.861 113.82,57.861 114.081,57.6 X2.25@114.431,57.6 ; v2(152,57.573) 152.288,57.861 152.374,57.861 152.868,57.861 157.189,57.861 157.45,57.6 X1.25@158.2,57.6
  L04_BottomLayer w0.15: v2(111.96,57.56) 111.96,57.593 112.217,57.85 115.462,57.85 115.524,57.912 118.596,57.912 118.646,57.862 134.677,57.862 134.727,57.912 151.408,57.912 151.445,57.948 151.625,57.948 v2(152,57.573)
ANL_02_P: X1.23 X2.23 X11.13 X12.19 X13.19 | length 158.9
  L01_TopLayer w0.15: X11.13@16.069,61.044 16.069,59.89 16.157,59.802 19.778,59.802 22.814,62.838 29.924,62.838 32.912,62.838 33,62.926 ; X13.19@33.184,63.97 X13.19@33,63.97 33,62.926 ; 110.685,58.139 85.861,58.139 78.623,65.377 63.783,65.377 62.802,64.396 62.802,63.498 62.143,62.839 61.357,62.839 61.269,62.926 61.269,63.41 60.709,63.97 X12.19@60.525,63.97 60.525,62.926 60.437,62.839 50.072,62.839 47.611,65.3 37,65.3 36.151,64.451 36.151,63.627 35.362,62.838 33.088,62.838 33,62.926 ; 110.685,58.139 111.812,58.139 111.9,58.227 v2@111.9,58.385 ; v2(111.699,58.525) 111.76,58.525 v2@111.9,58.385 ; 112.935,58.138 113.82,58.138 114.081,58.4 X2.23@114.431,58.4 ; 112.935,58.139 112.146,58.139 v2@111.9,58.385 ; v2(152,58.6) 152.462,58.138 152.983,58.138 157.189,58.138 157.45,58.4 X1.23@158.2,58.4
  L04_BottomLayer w0.15: v2(111.699,58.525) 111.699,58.47 112.03,58.139 112.2,58.139 112.212,58.127 115.348,58.127 115.409,58.188 118.71,58.188 118.76,58.138 134.562,58.138 134.612,58.188 151.294,58.188 151.33,58.225 151.625,58.225 v2(152,58.6)
ANL_03_N: X1.26 X2.26 X11.45 X12.22 X13.22 | length 164.5
  L01_TopLayer w0.15: X11.45@10.389,58.283 10.389,59.437 10.477,59.525 11.392,59.525 12.894,58.023 13.693,58.023 14.829,56.886 23.583,56.886 26.7,60.003 35.723,60.003 36.71,60.99 36.71,61.775 37.496,62.561 39.21,62.561 39.298,62.473 X13.22@39.298,61.99 ; X13.22@39.858,61.43 40.108,61.68 40.108,62.473 40.196,62.561 47.247,62.561 49.685,60.123 62.615,60.123 63.143,60.651 63.143,61.891 63.813,62.562 65.387,62.562 65.475,62.474 X12.22@65.475,61.43 65.907,61.862 65.907,62.474 65.995,62.562 78.238,62.562 84.181,56.619 110.027,56.619 110.273,56.372 v2(110.273,56.318) ; v2(116.477,56.636) 116.445,56.667 116.445,57.113 116.622,57.29 116.622,57.478 117.006,57.861 117.219,57.861 117.481,57.6 118.181,57.6 118.443,57.861 118.656,57.861 149.047,57.861 149.374,57.534 149.374,57.429 149.562,57.241 149.562,57.099 149.411,56.948 v2(149.411,56.854)
  L04_BottomLayer w0.15: v2(110.273,56.318) 110.34,56.384 110.34,56.611 110.433,56.704 111.322,56.704 112.494,56.704 112.686,56.896 114.065,56.896 114.331,56.631 115.892,56.631 116.142,56.881 116.387,56.636 v2(116.477,56.636) ; v2(149.411,56.854) 149.439,56.881 149.878,56.881 150.072,56.687 155.488,56.687 156.663,57.861 157.189,57.861 157.45,57.6 X1.26@158.2,57.6
ANL_03_P: X1.24 X2.24 X11.46 X12.20 X13.20 | length 164
  L01_TopLayer w0.15: X11.46@10.389,61.044 10.389,59.89 10.477,59.802 11.507,59.802 13.009,58.3 13.808,58.3 14.944,57.163 23.468,57.163 26.585,60.28 35.608,60.28 36.433,61.105 36.433,61.89 37.382,62.838 39.21,62.838 39.298,62.926 X13.20@39.298,63.41 ; X13.20@39.858,63.97 40.108,63.719 40.108,62.926 40.196,62.838 47.362,62.838 49.8,60.4 62.5,60.4 62.866,60.766 62.866,62.006 63.699,62.839 65.387,62.839 65.475,62.926 X12.20@65.475,63.97 65.907,63.538 65.907,62.926 65.995,62.839 78.353,62.839 84.296,56.896 109.85,56.896 109.944,56.989 109.944,57.216 v2(110.011,57.283) ; v2(115.71,57.278) 115.741,57.309 116.25,57.309 116.345,57.405 116.345,57.593 116.891,58.138 117.219,58.138 117.481,58.4 X2.24@117.831,58.4 118.181,58.4 118.443,58.138 118.771,58.138 149.162,58.138 149.651,57.649 149.651,57.544 149.91,57.284 150.265,57.284 v2(150.298,57.317)
  L04_BottomLayer w0.15: v2(110.011,57.283) 110.011,57.227 110.257,56.981 111.437,56.981 112.379,56.981 112.571,57.173 114.18,57.173 114.445,56.908 115.777,56.908 115.865,56.996 115.865,57.028 115.71,57.183 v2(115.71,57.278) ; v2(150.298,57.317) 150.365,57.25 150.365,57.091 150.492,56.964 155.373,56.964 156.548,58.138 157.189,58.138 157.45,58.4 X1.24@158.2,58.4
ANL_04_N: X1.31 X2.31 X11.10 X12.27 X13.27 | length 155.7
  L01_TopLayer w0.15: X11.10@16.069,52.761 16.069,53.915 16.157,54.003 20.942,54.003 21.88,54.941 30.039,54.941 32.912,54.941 33,54.853 X13.27@33,53.81 33.184,53.81 33.744,54.37 33.744,54.853 33.832,54.941 35.433,54.941 36.439,55.948 36.439,56.639 37.1,57.3 53.608,57.3 54.785,56.123 55.967,54.942 60.437,54.942 60.525,54.854 X12.27@60.525,53.81 60.709,53.81 61.269,54.37 61.269,54.854 61.357,54.942 62.258,54.942 63.073,55.757 63.073,56.655 63.818,57.4 81.75,57.4 83.689,55.462 111.042,55.462 111.66,55.461 v2@111.811,55.311 ; v2(111.971,55.15) v2@111.811,55.311 ; X2.31@114.431,55.2 114.081,55.2 113.82,55.461 113.584,55.461 113.575,55.452 111.898,55.452 111.811,55.364 v2@111.811,55.311 ; v2(152.319,55.16) 152.319,55.215 152.565,55.461 157.189,55.461 157.45,55.2 X1.31@158.2,55.2
  L04_BottomLayer w0.15: v2(111.971,55.15) 111.971,55.226 112.207,55.462 115.374,55.462 115.424,55.512 118.596,55.512 118.646,55.462 134.677,55.462 134.727,55.512 151.988,55.512 152.319,55.181 v2(152.319,55.16)
ANL_04_P: X1.29 X2.29 X11.11 X12.25 X13.25 | length 155.9
  L01_TopLayer w0.15: X11.11@16.069,55.522 16.069,54.368 16.157,54.28 20.827,54.28 21.765,55.218 29.924,55.218 32.912,55.218 33,55.306 X13.25@33,56.35 33.184,56.35 33.744,55.79 33.744,55.306 33.832,55.218 35.318,55.218 36.162,56.063 36.162,56.754 36.985,57.577 53.723,57.577 54.9,56.4 56.082,55.219 60.437,55.219 60.525,55.306 X12.25@60.525,56.35 60.709,56.35 61.269,55.79 61.269,55.306 61.357,55.219 62.143,55.219 62.796,55.872 62.796,56.77 63.703,57.677 81.865,57.677 83.803,55.739 111.157,55.739 111.662,55.738 111.75,55.826 111.75,55.835 ; v2(111.75,56.125) 111.75,55.835 ; X2.29@114.431,56 114.081,56 113.82,55.738 113.47,55.738 113.46,55.729 111.856,55.729 111.75,55.835 ; v2(152,56.108) 152.067,56.108 152.436,55.738 157.189,55.738 157.45,56 X1.29@158.2,56
  L04_BottomLayer w0.15: v2(111.75,56.125) 111.759,56.125 112.146,55.739 115.259,55.739 115.309,55.788 118.71,55.788 118.76,55.738 134.562,55.738 134.612,55.788 151.772,55.788 152,56.016 v2(152,56.108)
ANL_05_N: X1.32 X2.32 X11.43 X12.28 X13.28 | length 161.9
  L01_TopLayer w0.15: X11.43@10.389,52.761 10.389,53.915 10.477,54.003 11.392,54.003 12.894,52.501 13.693,52.501 14.829,51.364 20.289,51.364 21.308,52.383 35.723,52.383 36.71,53.37 36.71,54.155 37.496,54.941 39.21,54.941 39.298,54.853 X13.28@39.298,54.37 ; X13.28@39.858,53.81 39.858,54.853 39.946,54.941 49.767,54.941 52.385,52.323 62.438,52.323 63.176,53.061 63.176,54.304 63.813,54.942 64.827,54.942 64.915,54.854 64.915,54.37 X12.28@65.475,53.81 65.706,54.041 65.706,54.854 65.794,54.942 82.205,54.942 82.928,54.219 110.116,54.219 110.362,53.972 v2(110.362,53.917) ; v2(116.589,54.354) 116.589,54.448 116.438,54.599 116.438,54.741 116.652,54.955 116.652,55.108 117.006,55.461 117.219,55.461 117.481,55.2 118.181,55.2 118.443,55.461 118.656,55.461 149.419,55.461 149.865,55.015 149.865,54.728 v2(149.58,54.443)
  L04_BottomLayer w0.15: v2(110.362,53.917) 110.429,53.984 110.429,54.198 110.529,54.298 111.379,54.298 111.383,54.294 112.588,54.294 112.79,54.496 114.082,54.496 114.347,54.231 115.935,54.231 116.058,54.354 v2(116.589,54.354) ; v2(149.58,54.443) 149.982,54.443 150.368,54.057 151.513,54.057 151.76,54.304 155.274,54.304 156.432,55.461 157.188,55.461 157.45,55.2 X1.32@158.2,55.2
ANL_05_P: X1.30 X2.30 X11.44 X12.26 X13.26 | length 161.3
  L01_TopLayer w0.15: X11.44@10.389,55.522 10.389,54.368 10.477,54.28 11.507,54.28 13.009,52.778 13.808,52.778 14.944,51.641 20.174,51.641 21.193,52.66 35.608,52.66 36.433,53.485 36.433,54.27 37.382,55.218 39.21,55.218 39.298,55.306 X13.26@39.298,55.79 ; X13.26@39.858,56.35 39.858,55.306 39.946,55.218 49.882,55.218 52.5,52.6 62.323,52.6 62.899,53.176 62.899,54.419 63.699,55.219 64.827,55.219 64.915,55.306 64.915,55.79 X12.26@65.475,56.35 65.706,56.119 65.706,55.306 65.794,55.219 82.32,55.219 83.043,54.496 109.939,54.496 110.033,54.589 110.033,54.816 v2(110.1,54.883) ; v2(115.702,54.817) 115.735,54.784 116.09,54.784 116.375,55.07 116.375,55.222 116.891,55.738 117.219,55.738 117.481,56 X2.30@117.831,56 118.181,56 118.443,55.738 118.771,55.738 ; 118.771,55.738 149.534,55.738 150.142,55.13 150.142,54.953 150.23,54.865 150.489,54.865 v2(150.545,54.809)
  L04_BottomLayer w0.15: v2(110.1,54.883) 110.1,54.814 110.34,54.575 111.494,54.575 111.498,54.571 112.473,54.571 112.675,54.773 114.196,54.773 114.462,54.508 115.34,54.508 115.649,54.817 v2(115.702,54.817) ; v2(150.545,54.809) 150.545,54.714 150.395,54.564 150.395,54.422 150.482,54.334 151.399,54.334 151.646,54.581 155.16,54.581 156.317,55.738 157.188,55.738 157.45,56 X1.30@158.2,56